# KiCad board karabas-pro-revEU.kicad_pcb (continued)
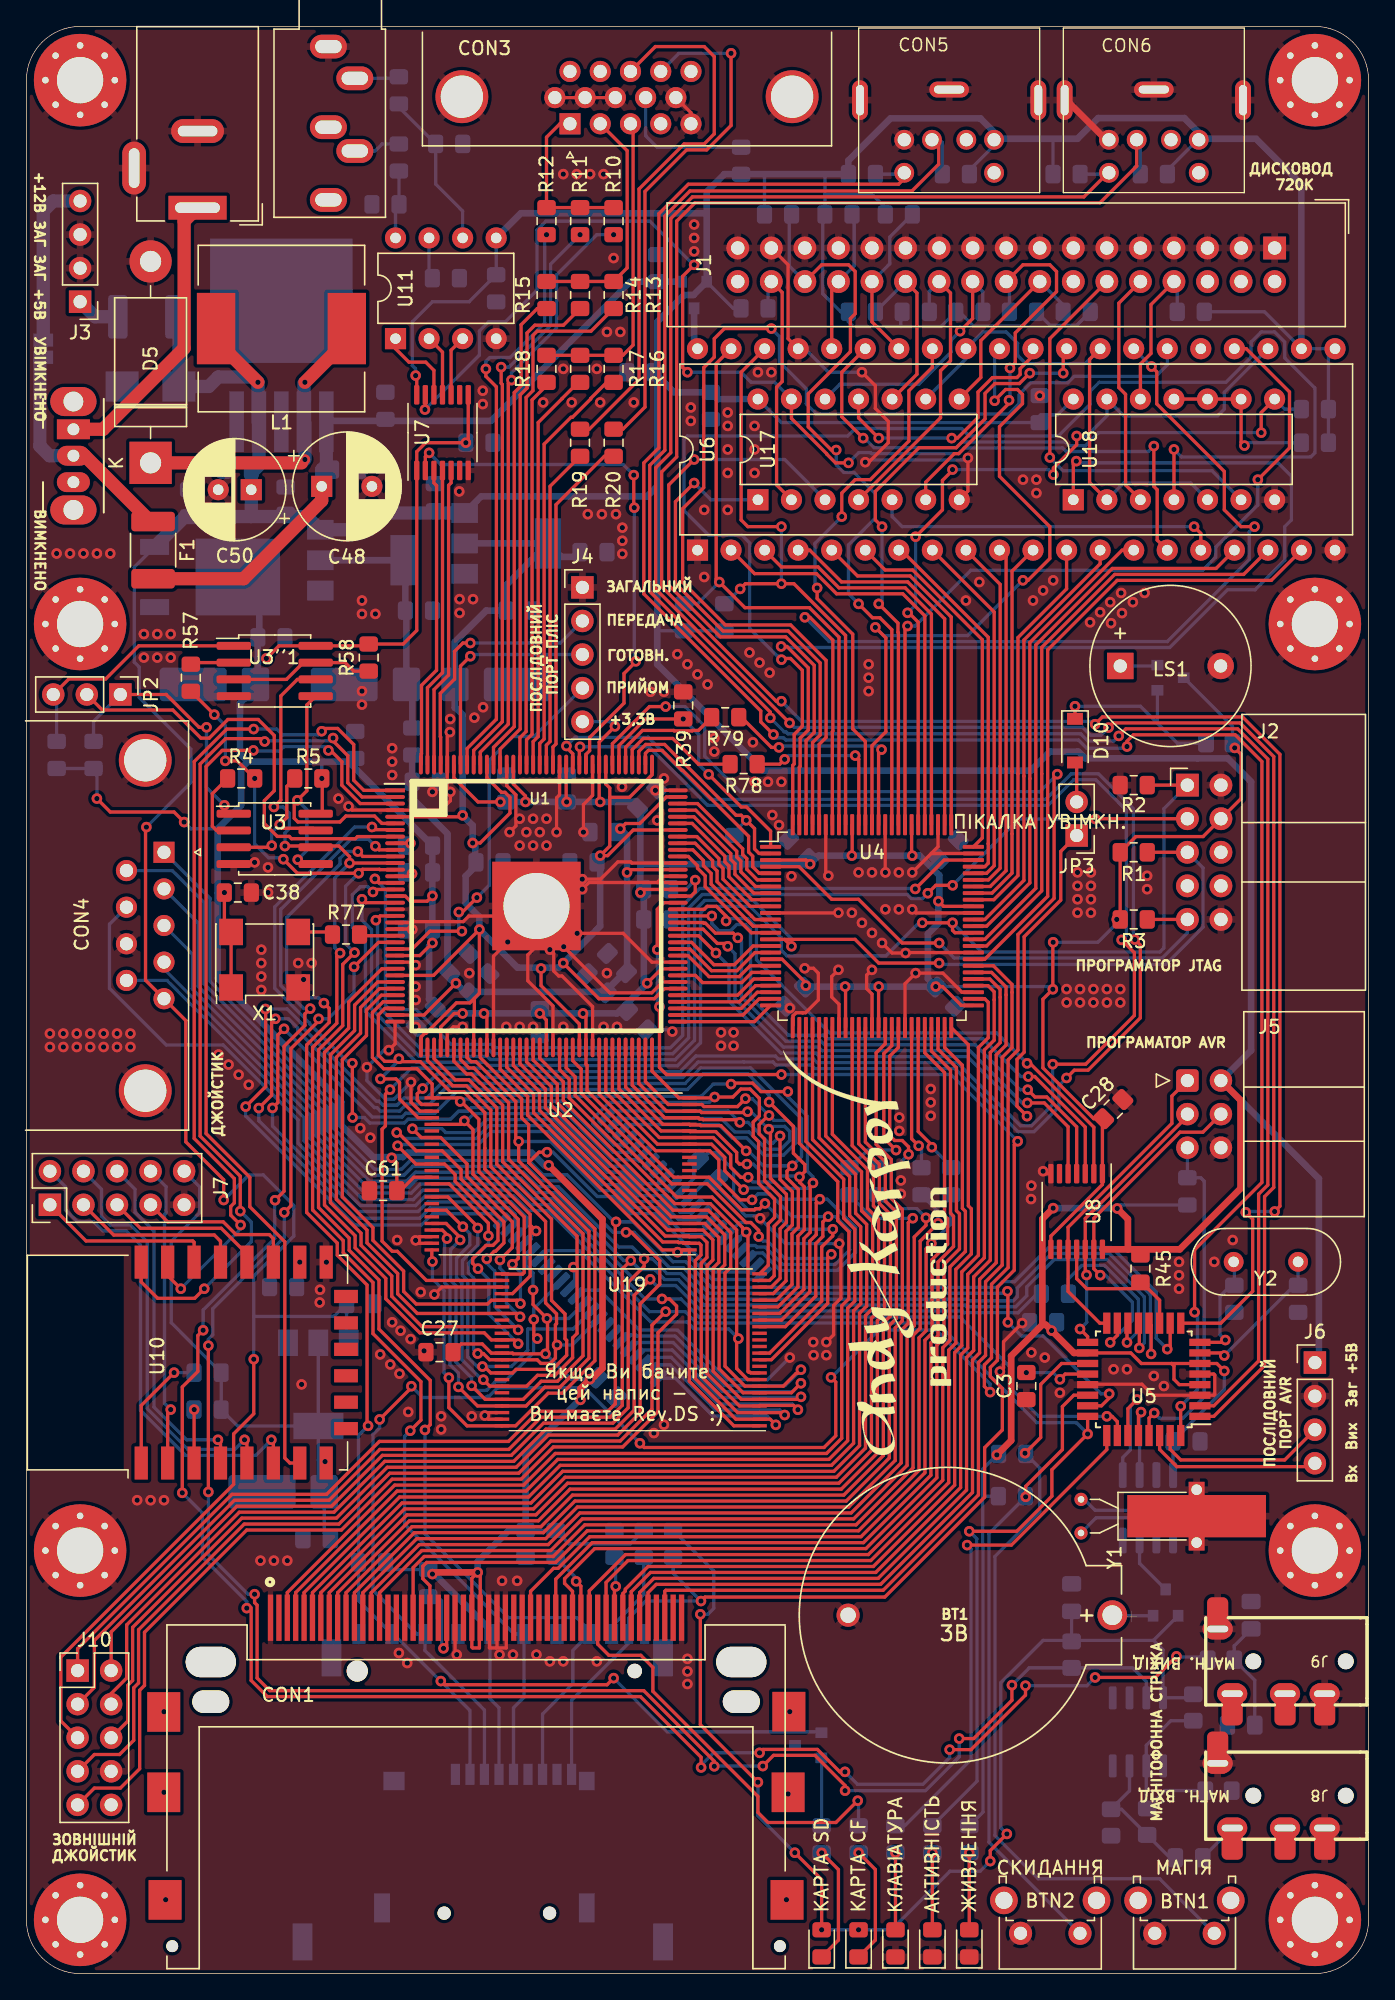
[diagram p0: board, top side]
## Routing (per net, layer and track width the routed paths; a pad name or vN(x,y) marks a point on that pad's centre or on a via; arc(x,y) is an arc through that point) (continued)
/VGA_VS: length 25.6
  Top w0.25: R20.2 43.75,114.8 40.09,111.14 40.09,93.03 39.86,92.8 U1.124
/VS: length 39.3
  Top w0.25: R20.1 45.15,116.85 46.82,118.52 46.82,134.83 49.97,137.98 51.49,137.98 53.34,139.83 v1(53.34,145.29)
  Bottom w0.25: CON3.14 49.39,145.29 v1(53.34,145.29)
/WA0: length 67.9
  Top w0.25: 69.51,71.57 69.51,70.07 70.85,68.73 70.85,57.9 71.08,57.67 71.08,54.64 69.91,53.46 69.91,47.89 69.37,47.35 69.37,37.33 63.74,31.7 45.35,31.7 42.61,28.96 CON1.20
/WA1: length 70
  Top w0.25: 69.01,71.57 69.01,69.93 70.4,68.54 70.4,57.72 70.63,57.49 70.63,54.82 69.46,53.65 69.46,48.08 68.92,47.54 68.92,37.52 63.55,32.15 43.01,32.15 40.74,29.87 40.74,29.53 41.34,28.92 CON1.19
/WA2: length 69.8
  Top w0.25: CON1.18 40.07,29.84 42.83,32.6 63.36,32.6 68.47,37.71 68.47,47.73 69.01,48.27 69.01,53.83 70.18,55.01 70.18,57.3 69.95,57.53 69.95,68.35 68.51,69.8 68.51,71.57
/WD0: length 67.5
  Top w0.25: CON1.21 43.88,29.59 45.54,31.25 63.92,31.25 69.82,37.15 69.82,47.17 70.36,47.71 70.36,53.28 71.53,54.45 71.53,57.86 71.3,58.09 71.3,70.28 70.01,71.57
/WD1: length 69.2
  Top w0.25: U4.52 72.55,73.75 72.81,73.49 72.81,70.81 72.06,70.06 72.06,54.35 70.81,53.09 70.81,47.52 70.27,46.98 70.27,36.96 64.11,30.8 47.06,30.8 45.33,29.08 45.33,28.94 45.15,28.75 CON1.22
/WD2: length 71.1
  Top w0.25: CON1.23 46.42,28.83 47.49,29.9 64.48,29.9 71.17,36.59 71.17,46.61 71.71,47.15 71.71,52.72 72.96,53.97 72.96,69.69 73.71,70.43 73.71,73.86 73.71,73.86 73.71,74.47 72.92,75.25 U4.55
/WD3: length 81.6
  Top w0.25: CON1.2 19.75,28.83 27.88,36.96 37.64,36.96 40.03,39.35 60.57,39.35 61.72,40.5 61.72,50.52 62.26,51.06 62.26,56.13 61.42,56.97 61.42,59.92 58.51,62.82 58.51,71.57
/WD4: length 81.4
  Top w0.25: CON1.3 21.02,28.83 28.25,36.06 38.01,36.06 40.41,38.45 60.94,38.45 62.62,40.13 62.62,50.15 63.16,50.69 63.16,56.5 62.32,57.34 62.32,60.29 59.51,63.1 59.51,71.57
/WD5: length 81.2
  Top w0.25: 60.51,71.57 60.51,63.37 63.22,60.66 63.22,57.71 64.06,56.87 64.06,50.32 63.52,49.78 63.52,39.76 61.31,37.55 40.78,37.55 38.38,35.16 28.62,35.16 22.29,28.82 CON1.4
/WD6: length 80.6
  Top w0.25: CON1.5 23.56,28.82 28.99,34.26 38.76,34.26 41.15,36.65 61.69,36.65 64.42,39.38 64.42,49.41 64.96,49.94 64.96,57.25 64.12,58.08 64.12,61.03 62.51,62.64 62.51,71.57
/WD7: length 80.4
  Top w0.25: CON1.6 24.83,28.82 29.37,33.36 39.13,33.36 41.52,35.75 62.06,35.75 65.32,39.01 65.32,49.03 65.86,49.57 65.86,57.62 65.02,58.46 65.02,61.41 63.51,62.92 63.51,71.57
/WD8: length 70.5
  Top w0.25: U4.54 72.79,74.75 73.26,74.28 73.26,73.68 73.26,73.68 73.26,70.62 72.51,69.88 72.51,54.16 71.26,52.9 71.26,47.33 70.72,46.8 70.72,36.77 64.29,30.35 47.24,30.35 45.78,28.89 CON1.47
/WD9: length 71.8
  Top w0.25: CON1.48 47.05,28.82 47.68,29.45 64.67,29.45 71.62,36.4 71.62,46.42 72.16,46.96 72.16,52.53 73.41,53.79 73.41,69.5 74.16,70.25 74.16,74.05 74.16,74.05 74.16,74.65 73.06,75.75 U4.56
/WD10: length 71.9
  Top w0.25: CON1.49 48.32,28.92 48.4,29 64.85,29 72.07,36.21 72.07,46.24 72.61,46.78 72.61,52.34 73.86,53.6 73.86,69.32 74.61,70.06 74.61,74.23 74.61,74.24 74.61,74.84 73.2,76.25 U4.57
/WD11: length 81.5
  Top w0.25: 59.01,71.57 59.01,62.96 61.87,60.1 61.87,57.15 62.71,56.31 62.71,50.88 62.17,50.34 62.17,40.32 60.75,38.9 40.22,38.9 37.82,36.51 28.06,36.51 20.38,28.83 CON1.27
/WD12: length 81.3
  Top w0.25: 60.01,71.57 60.01,63.23 62.77,60.47 62.77,57.53 63.61,56.69 63.61,50.5 63.07,49.96 63.07,39.94 61.13,38 40.59,38 38.2,35.61 28.44,35.61 21.65,28.82 CON1.28
/WD13: length 81.1
  Top w0.25: 61.01,71.57 61.01,63.51 63.67,60.85 63.67,57.9 64.51,57.06 64.51,50.13 63.97,49.59 63.97,39.57 61.5,37.1 40.96,37.1 38.57,34.71 28.81,34.71 22.92,28.82 CON1.29
/WD14: length 80.5
  Top w0.25: CON1.30 24.19,28.82 29.18,33.81 38.94,33.81 41.34,36.2 61.87,36.2 64.87,39.2 64.87,49.22 65.41,49.76 65.41,57.43 64.57,58.27 64.57,61.22 63.01,62.78 63.01,71.57
/WD15: length 80.4
  Top w0.25: CON1.31 25.46,28.82 29.55,32.91 39.31,32.91 41.71,35.3 62.24,35.3 65.77,38.82 65.77,48.85 66.31,49.39 66.31,57.81 65.47,58.64 65.47,61.59 64.33,62.73 64.33,69.66 65.01,70.34 65.01,71.57
/~{AVR_CS}: length 10.9
  Top w0.25: U8.11 79.5,52.58 80.26,51.82 84.91,51.82 85.78,50.94 U5.11
/~{AVR_RESET}: length 26.5
  Top w0.25: U5.29 84.98,42.03 v1(85.37,42.42)
  Bottom w0.25: v1(85.37,42.42) 85.77,42.02 87.54,42.02 89.15,43.63 89.15,59.95 88.9,60.21 R9.1 J5.5
/~{FDC_CS}: length 30.6
  Top w0.25: U4.79 68.51,102.86 66.53,104.84 61.51,104.84 59.93,106.43 57.15,106.43 U6.3
/~{FDC_DIR}: length 28.2
  Top w0.25: v1(74.45,121.48) 74.85,121.88 74.85,124.13 77.98,127.25 77.98,128.78 77.47,129.29 75.44,129.29 J1.18 ; U17.6 68.07,112.83 70.24,115 70.57,115 74.38,118.81 v1(74.38,119.04)
  Bottom w0.25: R65.2 74.41,127.77 ; v1(74.45,121.48) 74.45,119.11 v1(74.38,119.04)
/~{FDC_DRIVE0}: length 17.9
  Top w0.25: U18.3 83.2,112.63 83.2,119.49 82.69,120 82.69,126.38 J1.10
/~{FDC_DRIVE1}: length 30.9
  Top w0.25: J1.12 77.47,123.7 v1(77.47,114.71)
  Bottom w0.25: v1(77.47,114.71) 78.47,113.71 89.75,113.71 U18.6
/~{FDC_INDEX}: length 12
  Top w0.25: J1.8 85.13,126.28 85.13,122.58 84.33,121.78 U18.12
  Bottom w0.25: R6.2 87.11,127.77
/~{FDC_MOTOR}: length 13.9
  Top w0.25: U17.8 72.25,120.76 72.25,123.55 J1.16
  Bottom w0.25: 78.48,126.25 J1.16
/~{FDC_RAWR}: length 74.3
  Top w0.25: v1(85.17,121.59) 85.57,121.19 85.57,118.76 90.68,113.65 90.68,110.74 91.95,109.47 v1(92.96,109.47) ; v1(58.93,102.62) 59.31,102.62 61.05,100.88 61.05,94.01 61.01,93.97 U4.94
  Bottom w0.25: v1(58.93,102.62) 60.76,100.78 86.36,100.78 92.57,106.98 92.57,109.08 v1(92.96,109.47) ; U6.27 v1(85.17,121.59)
/~{FDC_RDATA}: length 58.6
  Top w0.25: v1(61.3,115.27) 60.94,115.27 59.18,117.03 59.18,119.52 62.37,122.71 62.37,125.22 62.74,125.59 62.74,128.78 62.23,129.29 60.2,129.29 J1.30 ; U4.85 65.51,101.68 64.61,102.58 64.04,102.58 v1(62.99,103.63)
  Bottom w0.25: v1(62.99,103.63) 62.23,104.39 62.23,108.09 64.26,110.12 64.26,111.96 62.65,113.57 61.88,113.57 61.3,114.16 v1(61.3,115.27) ; 57.74,132.91 57.74,129.2 J1.30
/~{FDC_RST}: length 48.6
  Top w0.25: U4.58 72.55,76.75 77.31,81.51 77.31,100.15 82.57,105.41 94.23,105.41 U6.19
/~{FDC_SIDE}: length 39.5
  Top w0.25: U4.97 59.51,93.14 60.09,93.71 60.09,99.16 57.67,101.58 52.72,101.58 49.13,105.17 49.13,111.36 v1(50.55,112.78)
  Bottom w0.25: U17.1 51.82,111.51 v1(50.55,112.78)
/~{FDC_STEP}: length 19.6
  Top w0.25: J1.20 71.63,125.22 v1(70.68,124.26)
  Bottom w0.25: R66.2 72.4,127.25 J1.20 ; U17.12 61.58,120.25 67.56,120.25 69.99,122.69 69.99,123.58 v1(70.68,124.26)
/~{FDC_TR00}: length 12.3
  Top w0.25: J1.26 64.01,124.97 U6.34
  Bottom w0.25: J1.26 65.36,129.37 65.36,131.39 R42.1
/~{FDC_WDATA}: length 22.3
  Top w0.25: U17.4 69.2,117.71 69.2,121.27 69.95,122.02 69.95,127.15 J1.22
  Bottom w0.25: J1.22 68.34,127.27 R67.2
/~{FDC_WGATE}: length 13.2
  Top w0.25: U17.10 67.41,121.01 67.41,127.15 J1.24
  Bottom w0.25: 64.27,125.74 J1.24
/~{FDC_WPRT}: length 10
  Top w0.25: U6.36 60.96,127.51
  Bottom w0.25: 62.66,132.93 62.66,129.2 J1.28
/~{LAVR_CS}: length 42.6
  Top w0.25: v1(75.8,66.87) 76.35,66.32 77.24,66.32 79.5,64.06 U8.4 ; v1(53.85,78.36) 53.5,78.72 52.16,78.72 51.4,79.47 51.28,79.47 51.23,79.52 U1.88
  Bottom w0.25: v1(75.8,66.87) 75.23,66.87 71.83,70.27 60.42,70.27 60.14,70.55 57.48,70.55 54.13,73.9 54.13,78.09 v1(53.85,78.36)
/~{LWCS0}: length 14.1
  Top w0.25: 65.51,71.57 65.51,70.21 64.9,69.6 64.9,63.22 65.82,62.3 v1(65.83,62.3)
  Bottom w0.25: 62.23,60.86 63.68,62.3 v1(65.83,62.3)
/~{LWCS1}: length 13.5
  Top w0.25: 66.01,71.57 66.01,70.07 65.35,69.42 65.35,63.41 65.73,63.03 66.3,63.03 66.78,62.55 v1(66.78,61.98)
  Bottom w0.25: v1(66.78,61.98) 65.76,60.97 64.52,60.97
/~{LWRD}: length 10.9
  Top w0.25: 67.01,71.57 67.01,63.16 v1(67.54,62.63)
  Bottom w0.25: 67.75,60.97 67.75,62.42 v1(67.54,62.63)
/~{LWWR}: length 11.7
  Top w0.25: 67.51,71.57 67.51,63.71 68.54,62.68 v1(68.54,62.52)
  Bottom w0.25: 70.09,60.97 v1(68.54,62.52)
/~{MRD}: length 41
  Top w0.25: 28.31,68.99 28.31,69.09 v1(28.19,69.22) ; 28.31,68.99 28.29,69.02 27.12,69.02 26.64,69.49 26.64,72.53 27.14,73.02 U1.34 ; 28.31,68.99 29.82,68.99 32.09,66.72 33.12,66.72 34.7,65.14 34.7,62.44 34.7,61.33 34.7,61.33 34.7,60.87 38.13,57.44 38.13,56.54 ; v1(26.8,67.69) 27.97,67.69 28.25,67.42 28.25,66.16 29.65,64.75 U2.28 ; v1(38.58,56.18) 38.22,56.54 38.13,56.54 ; U19.28 36.8,51.44 38.13,52.78 38.13,56.54
  Bottom w0.25: v1(26.8,67.69) 28.19,69.09 v1(28.19,69.22) ; U20.41 38.58,56.13 v1(38.58,56.18)
/~{MWR}: length 42.6
  Top w0.25: U19.11 56.39,46.44 60.66,50.71 60.66,54.15 v1(60.93,54.42) ; v1(55.43,55.76) 55.43,56.23 54.83,56.82 54.47,56.82 51.54,59.75 U2.11 48.86,59.75 41.99,66.62 41.99,68.44 41.36,69.07 U1.60
  Bottom w0.25: v1(60.93,54.42) 60.61,54.1 57.42,54.1 56.11,55.42 55.77,55.42 v1(55.43,55.76) 55.43,56.23 54.83,56.82 53.98,56.82 U20.17
/~{RAMCE1}: length 129
  Top w0.25: v1(78.73,67.76) 79.32,68.35 80.37,68.35 84.32,72.31 84.32,77.82 v1(83.91,78.23) ; v1(40.88,92.88) 40.88,92.77 41.36,92.29 U1.121 ; v1(29.99,66.96) 29.59,66.56 29.59,66.09 29.93,65.75 U2.26
  Bottom w0.25: v1(83.91,78.23) 83.79,78.34 83.79,88.14 81.16,90.77 79.09,90.77 77.16,88.84 51.75,88.84 47.05,93.54 41.54,93.54 v1(40.88,92.88) ; v1(78.73,67.76) 78.16,67.18 78.16,65.58 76.28,63.7 75.06,63.7 70.29,68.47 59.67,68.47 59.4,68.75 56.74,68.75 56.51,68.97 54.3,68.97 54.3,68.97 50.85,68.97 49.67,67.79 41.31,67.79 41.29,67.81 34.79,67.81 34.55,67.81 34.31,68.06 31.08,68.06 v1(29.99,66.96)
/~{RAMCE2}: length 149.4
  Top w0.25: v1(77.69,68.8) 80.18,68.8 83.87,72.49 83.87,77.24 v1(82.91,78.21) ; U19.26 30.28,52.44 28.07,54.65 27.69,54.65 26.92,55.42 26.92,63.89 27.18,64.14 27.18,66.53 v1(27.52,66.88) ; v1(41.91,92.82) 41.86,92.77 U1.120
  Bottom w0.25: v1(27.52,66.88) 29.15,68.51 34.49,68.51 34.74,68.26 41.48,68.26 41.5,68.24 49.48,68.24 50.66,69.42 56.7,69.42 56.92,69.2 59.58,69.2 59.86,68.92 70.48,68.92 75.25,64.15 76.09,64.15 77.69,65.75 v1(77.69,68.8) ; v1(82.91,78.21) 83.26,78.56 83.26,88.01 80.95,90.32 79.27,90.32 77.34,88.39 51.56,88.39 47.14,92.82 v1(41.91,92.82)
/~{RAMCE3}: length 54.1
  Top w0.25: v1(26.15,86.75) 26.36,86.55 27.88,86.55 U1.7 ; v1(24.67,68.88) 24.67,64.79 v1(24.69,64.77)
  Bottom w0.25: v1(24.67,68.88) 24.42,68.88 21.43,71.86 21.43,71.92 18.8,74.55 18.8,80.7 24.85,86.75 v1(26.15,86.75) ; v1(24.69,64.77) 25.58,64.77 25.99,64.35 28.61,64.35 28.9,64.64 32.11,64.64 32.72,65.25 33.42,65.25 33.68,65.51 40.39,65.51 40.89,65 40.92,65 41.94,63.98 41.94,63.97 44.34,61.57 46.28,61.57
/~{RD}: length 28.8
  Top w0.25: U6.4 59.29,107.7 61.7,105.29 66.71,105.29 69.51,102.5 U4.77
/~{RESET}: length 19.8
  Top w0.25: U4.1 56.33,86.44 54.51,88.27 54.11,88.27 v1(51.64,90.73) ; U1.114 44.86,92.92 46.87,94.92 v1(49.72,94.92)
  Bottom w0.25: v1(49.72,94.92) 50.89,93.75 50.89,91.48 v1(51.64,90.73)
/~{SD_CS}: length 115
  Top w0.25: v1(25.86,41.44) 25.79,41.52 25.79,52.1 23.53,54.35 23.53,55.27 21.21,57.59 21.21,70.26 22.92,71.97 22.92,73.02 v1(22.52,73.42) ; v1(44.45,22.35) 43.95,21.85 31.64,21.85 v1(31.37,22.13) ; U1.11 25.46,84.52 v1(25.09,84.89)
  Bottom w0.25: R36.1 25.14,40.72 v1(25.86,41.44) ; v1(22.52,73.42) 22.12,73.82 20.87,73.82 19.7,75 19.7,79.89 23.74,83.94 23.74,84.37 24.26,84.89 v1(25.09,84.89) ; 60.12,18.29 48.51,18.29 v1(44.45,22.35) ; 27.67,25.69 25.15,28.21 25.15,31.11 ; 33.57,14.73 33.57,19.9 27.78,25.69
/~{SD_DET}: length 120.8
  Top w0.25: v1(51.06,28.19) 51.36,28.49 64.98,28.49 72.54,36.05 72.54,39.79 73.88,41.13 73.88,44.26 72.97,45.17 72.97,45.86 73.51,46.4 73.51,51.94 74.78,53.21 74.78,62.71 v1(75.04,62.97) ; U1.91 48.26,81.02 47.76,80.52 v1(47.76,77.47) ; v1(47.92,73.15) 47.92,68.55 48.45,68.02 v1(57.15,68.02)
  Bottom w0.25: v1(75.04,62.97) 69.99,68.02 v1(57.15,68.02) ; v1(47.76,77.47) 47.76,73.32 v1(47.92,73.15) ; 41.27,14.73 41.27,20.69 45.6,25.02 CON2.10 45.6,26.9 46.88,28.19 v1(51.06,28.19) 48.96,30.29 R52.1
/~{WCS0}: length 70.5
  Top w0.25: CON1.7 26.1,28.81 29.74,32.46 39.5,32.46 41.9,34.85 62.43,34.85 66.22,38.64 66.22,48.66 66.76,49.2 66.76,56.81 v1(67.1,57.15)
  Bottom w0.25: 62.28,58.93 64.06,57.15 v1(67.1,57.15)
/~{WCS1}: length 69.4
  Top w0.25: CON1.32 26.73,28.81 29.93,32.01 39.69,32.01 42.08,34.4 62.62,34.4 66.67,38.45 66.67,48.47 67.21,49.01 67.21,55.72 68.1,56.61 v1(68.1,57.18)
  Bottom w0.25: v1(68.1,57.18) 67.4,57.88 65.56,57.88 R71.2
/~{WRD}: length 66.7
  Top w0.25: CON1.34 29.27,30.72 30.11,31.56 39.87,31.56 42.27,33.95 62.8,33.95 67.12,38.26 67.12,48.29 67.66,48.83 67.66,55.42 v1(69.01,56.77)
  Bottom w0.25: R72.2 69.01,57.67 v1(69.01,56.77)
/~{WRESET}: length 70.7
  Top w0.25: CON1.41 38.16,28.92 39.9,30.66 40.25,30.66 42.64,33.05 63.18,33.05 68.02,37.89 68.02,47.91 68.56,48.45 68.56,54.02 69.73,55.2 69.73,57.11 69.5,57.34 69.5,68.17 68.01,69.66 68.01,71.57
/~{WR}: length 32.5
  Top w0.25: U6.2 55.12,105.92 59.8,105.92 61.32,104.39 66.34,104.39 68.01,102.72 U4.80
/~{WWR}: length 66.5
  Top w0.25: v1(68.5,55.24) 68.11,54.84 68.11,48.64 67.57,48.1 67.57,38.08 62.99,33.5 42.46,33.5 40.06,31.11 30.3,31.11 30.01,30.82 30.01,29.88 30.54,29.34 CON1.35
  Bottom w0.25: v1(68.5,55.24) 69.98,56.71 69.98,58.9
TAPE_IN: length 143.5
  Top w0.25: v1(13.77,47.51) v1(13.77,36.44) ; v1(19.52,57.59) 20.02,58.09 20.02,69.98 22.12,72.08 v1(22.12,72.24) ; v1(70.61,17.78) 71.7,17.78 74.6,20.68 v1(74.6,21.82) ; v1(17.27,28.7) 17.27,28.07 17.46,27.88 17.46,22.36 18.42,21.41 46.73,21.41 52.07,16.07 v1(52.07,15.68) ; v1(61.97,13.84) 61.97,14.23 59.69,16.51 56.55,16.51 v1(55.74,15.7) ; v1(24.8,76.17) 24.8,76.17 26.65,78.02 U1.24
  Bottom w0.25: v1(70.61,17.78) 70.61,16.4 68.05,13.84 v1(61.97,13.84) ; v1(13.77,36.44) 13.77,31.69 16.76,28.7 v1(17.27,28.7) ; v1(52.07,15.68) 52.08,15.7 v1(55.74,15.7) ; v1(22.12,72.24) 22.84,72.24 24.8,74.2 v1(24.8,76.17) ; v1(74.6,21.82) 75.91,23.13 R84.2 83.74,23.13 84.77,22.1 U16.7 ; v1(13.77,47.51) 13.77,48 14.1,48.33 14.1,50.3 19.52,55.71 v1(19.52,57.59)
TAPE_OUT: length 159.4
  Top w0.25: v1(21.48,73.01) 21.08,72.61 21.08,71.73 19.5,70.15 19.5,59.19 v1(18.82,58.51) ; 17.01,27.69 17.01,22.18 18.23,20.96 46.48,20.96 51.07,16.36 v1(51.07,15.59) ; v1(13.38,48.67) 12.98,48.27 12.98,45.56 11.8,44.38 v1(11.8,36.37) ; U1.10 26.69,85.02 v1(26.42,85.3) ; v1(75.63,21.78) 75.63,21.07 71.5,16.94 v1(69.89,16.94) ; v1(61.96,15.26) 61.57,15.26 59.88,16.96 55.76,16.96 v1(55.5,16.7) ; v1(80.9,22.41) 85.46,22.41 v1(87.06,24)
  Bottom w0.25: v1(61.96,15.26) 62.9,14.33 67.87,14.33 69.89,16.34 v1(69.89,16.94) ; v1(87.06,24) 87.11,23.96 89.92,23.96 ; v1(11.8,36.37) 13.32,34.85 13.32,31.51 16.68,28.15 v1(16.68,27.65) ; v1(21.48,73.01) 21.01,73.01 19.25,74.77 19.25,80.51 24.55,85.82 25.9,85.82 v1(26.42,85.3) ; v1(75.63,21.78) 80.27,21.78 v1(80.9,22.41) ; v1(55.5,16.7) 52.01,16.7 51.07,15.76 v1(51.07,15.59) ; v1(13.38,48.67) 13.38,50.21 18.79,55.62 18.79,58.48 v1(18.82,58.51)
Net-(BT1-Pad1): length 3
  Bottom w0.25: D8.2 82.25,27.07
Net-(C1-Pad1): length 4.8
  Bottom w0.25: U11.8 27.94,133.59 ; R27.1 28.2,136.37
Net-(C2-Pad1): length 11.9
  Bottom w0.25: U11.6 33.02,133.35 30.98,135.39 R26.1 28.19,141.22
Net-(C3-Pad2): length 5
  Top w0.25: U5.20 78.63,45.36 v1(78.23,44.96)
  Bottom w0.25: v1(75.69,45.47) 77.72,45.47 v1(78.23,44.96)
Net-(C11-Pad1): length 18.4
  Bottom w0.5: C7.1 28.77,103.56 28.69,103.63 28.69,106.79 ; FB1.1 29.21,97.09 ; U13.2 U13.2
Net-(C55-Pad1): length 3.1
  Bottom w0.25: 89.05,8.79 J8.T
Net-(C55-Pad2): length 9.8
  Bottom w0.25: 86.57,8.76 R80.1 82.9,12.43 R62.1 83.5,13.83 83.5,15.71
Net-(C56-Pad1): length 2
  Bottom w0.25: C56.1 90.91,20.81
Net-(C56-Pad2): length 8.5
  Bottom w0.25: C56.2 92.99,22.19 R81.1 91.42,24.79 C57.2
Net-(CON1-Pad36): length 7.2
  Top w0.25: v1(31.57,24.61) 31.81,24.85 CON1.36
  Bottom w0.25: R75.2 31.12,28.51 31.43,28.2 31.43,24.75 v1(31.57,24.61)
Net-(CON1-Pad44): length 5.4
  Top w0.25: CON1.44 41.97,29.31 v1(41.61,29.67)
  Bottom w0.25: R74.2 41.61,29.94 v1(41.61,29.67)
Net-(CON1-Pad46): length 4.5
  Top w0.25: CON1.46 44.51,29.2 v1(44.61,29.29)
  Bottom w0.25: v1(44.61,29.29) 44.61,31.39
Net-(CON2-Pad8): length 6.2
  Bottom w0.25: R37.2 46.74,28.7 44.3,26.26
Net-(CON3-Pad9): length 10.5
  Bottom w0.25: R53.2 47.74,138.19 46.87,139.06 CON3.9
Net-(CON8-Pad1): length 22
  Top w1: CON8.1 11.94,132.59 11.94,122.97 5.81,116.84 SW4.1
Net-(D3-Pad3): length 2.8
  Bottom w0.5: D3.3 50.55,123.19
Net-(D5-Pad1): length 22.1
  Top w0.5: 20.83,114.3 v1(21.08,114.55)
  Top w1: D5.1 20.83,114.3 ; v1(21.08,120.4) 24.25,123.57
  Bottom w0.5: 21,120.32 v1(21.08,120.4)
  Bottom w1: v1(21.08,114.55) 21.08,117.34 ; U15.2 21,120.32
Net-(D8-Pad3): length 4.5
  Bottom w0.25: D8.3 84.26,31.04 U9.3
Net-(D10-Pad1): length 14.5
  Top w0.25: v1(79.38,95.89) D10.1
  Bottom w0.25: R48.1 87.12,93.09 84.33,95.89 v1(79.38,95.89) ; Q2.1 85.61,94.6
Net-(D10-Pad2): length 2.9
  Top w0.25: JP3.2 79.5,91.5
Net-(F1-Pad1): length 17.6
  Top w1: SW4.2 4.41,114.84 9.39,109.86
  Bottom w1: JP1.2 1.02,122.03 1.02,115.57 1.75,114.84 SW4.2
Net-(F2-Pad1): length 3.3
  Bottom w1: J3.1 5.21,125.35 F2.1
Net-(J3-Pad4): length 12.9
  Bottom w1: JP1.1 1.27,133.35 2.03,134.11 J3.4
Net-(LS1-Pad1): length 2.7
  Bottom w0.25: LS1.1 85.55,98.93
Net-(Q1-Pad2): length 5.1
  Bottom w0.25: R54.1 60.2,16.31
Net-(R4-Pad1): length 5.4
  Top w0.25: R4.1 14.07,89.26 14.07,86.81 14.4,86.49 15.2,86.49
Net-(R5-Pad1): length 11.9
  Top w0.25: 15.2,85.22 18.44,85.22 v1(18.57,85.34) ; 21.73,86.65 19.45,86.65 v1(19.17,86.93) 19.71,87.46 19.71,89.82 R5.1
  Bottom w0.25: v1(19.17,86.93) 18.57,86.32 v1(18.57,85.34)
Net-(R7-Pad2): length 13.1
  Top w0.25: v1(92.2,115.61) 91.95,115.86 U18.9 U18.10 U18.11
  Bottom w0.25: v1(92.2,115.61) 92.42,115.82 R7.2
Net-(R25-Pad1): length 2.8
  Bottom w0.25: U11.7 30.48,128.51
Net-(R30-Pad1): length 4
  Top w0.25: U10.3 12.69,42.66 v1(12.7,42.67)
Net-(R31-Pad1): length 9.4
  Top w0.25: U10.1 8.69,42.98 v1(11.18,45.47)
  Bottom w0.25: 12.69,45.47 v1(11.18,45.47)
Net-(R32-Pad2): length 2
  Bottom w0.25: R32.2 20.46,53.59 v1(20.69,53.83)
Net-(R57-Pad1): length 2.6
  Top w0.25: 15.2,99.19 12.56,99.19
Net-(R58-Pad1): length 11.5
  Top w0.25: 15.2,97.92 19.69,97.92 20.95,99.19 24.13,99.19 24.77,98.54 R58.1
Net-(R77-Pad1): length 2.4
  Top w0.25: X1.3 22.97,78.81
Net-(R78-Pad1): length 13
  Top w0.25: v1(62.74,92.15) 63.01,91.88 U4.90 ; R78.1 57.03,91.5 v1(57.39,91.87)
  Bottom w0.25: v1(62.74,92.15) 57.68,92.15 v1(57.39,91.87)
Net-(R79-Pad1): length 17.5
  Top w0.25: v1(56.96,92.77) 56.4,92.77 54.11,95.06 ; U4.87 64.51,92.38 v1(64.73,92.6)
  Bottom w0.25: v1(64.73,92.6) 64.46,92.88 57.07,92.88 v1(56.96,92.77)
Net-(R80-Pad2): length 14
  Bottom w0.25: R83.1 86.19,13.84 R80.2 ; 84.77,12.56 84.77,17.27 86.63,19.13 R82.2
Net-(U9-Pad1): length 8.6
  Bottom w0.25: U9.1 86.8,33.74 85.49,35.05 80.9,35.05 80.07,35.88
Net-(U9-Pad2): length 7.5
  Bottom w0.25: U9.2 85.53,33.74 84.79,34.48 80.98,34.48 Y1.1

## Copper pours and planes (outline as drawn; the poured copper is in the pictures)
GND on Top: 108.2,-6.6 -4.57,-6.6 -4.57,152.4 108.2,152.4
GND on Bottom: 105.66,-8.64 -10.16,-8.64 -10.16,157.48 105.66,157.48

## Text on the board
B.Mask: © 2022 / andykarpov / www.karabas.uk | РОЗРОБЛЕНО / В УКРАЇНІ | ОСОБЛИВА ПОДЯКА: / solegstar, tank-uk, nihirash, / dr_max, xdemox, kalantaj, dumpkin | Рев.Ї
B.Silkscreen: СТЕРЕО ВИХІД | БП 12В / ПОСТІЙНИЙ / СТРУМ | МОНІТОР | КЛАВІАТУРА | МИША | Заізолювати / контакти microSD / при встановленні / повнорозмірного / слоту SD | Якщо Ви бачите / цей напис - / Ви маєте Rev.DS :)
F.Mask: Рев.Ї
F.Silkscreen: +12В ЗАГ ЗАГ +5В | УВІМКНЕНО | ВИМКНЕНО | +3,3В | ЗОВНІШНІЙ / ДЖОЙСТИК | ПРОГРАМАТОР JTAG | ДИСКОВОД / 720К | ГОТОВН. | ПРИЙОМ | ПЕРЕДАЧА | ЗАГАЛЬНИЙ | ПРОГРАМАТОР AVR | ДЖОЙСТИК | ПОСЛІДОВНИЙ / ПОРТ ПЛІС | МАГНІТОФОННА СТРІЧКА | ПОСЛІДОВНИЙ / ПОРТ AVR | Вх  Вих  Заг +5В | Якщо Ви бачите / цей напис - / Ви маєте Rev.DS :)
